# KiCad board forti rev 2.kicad_pcb (continued)
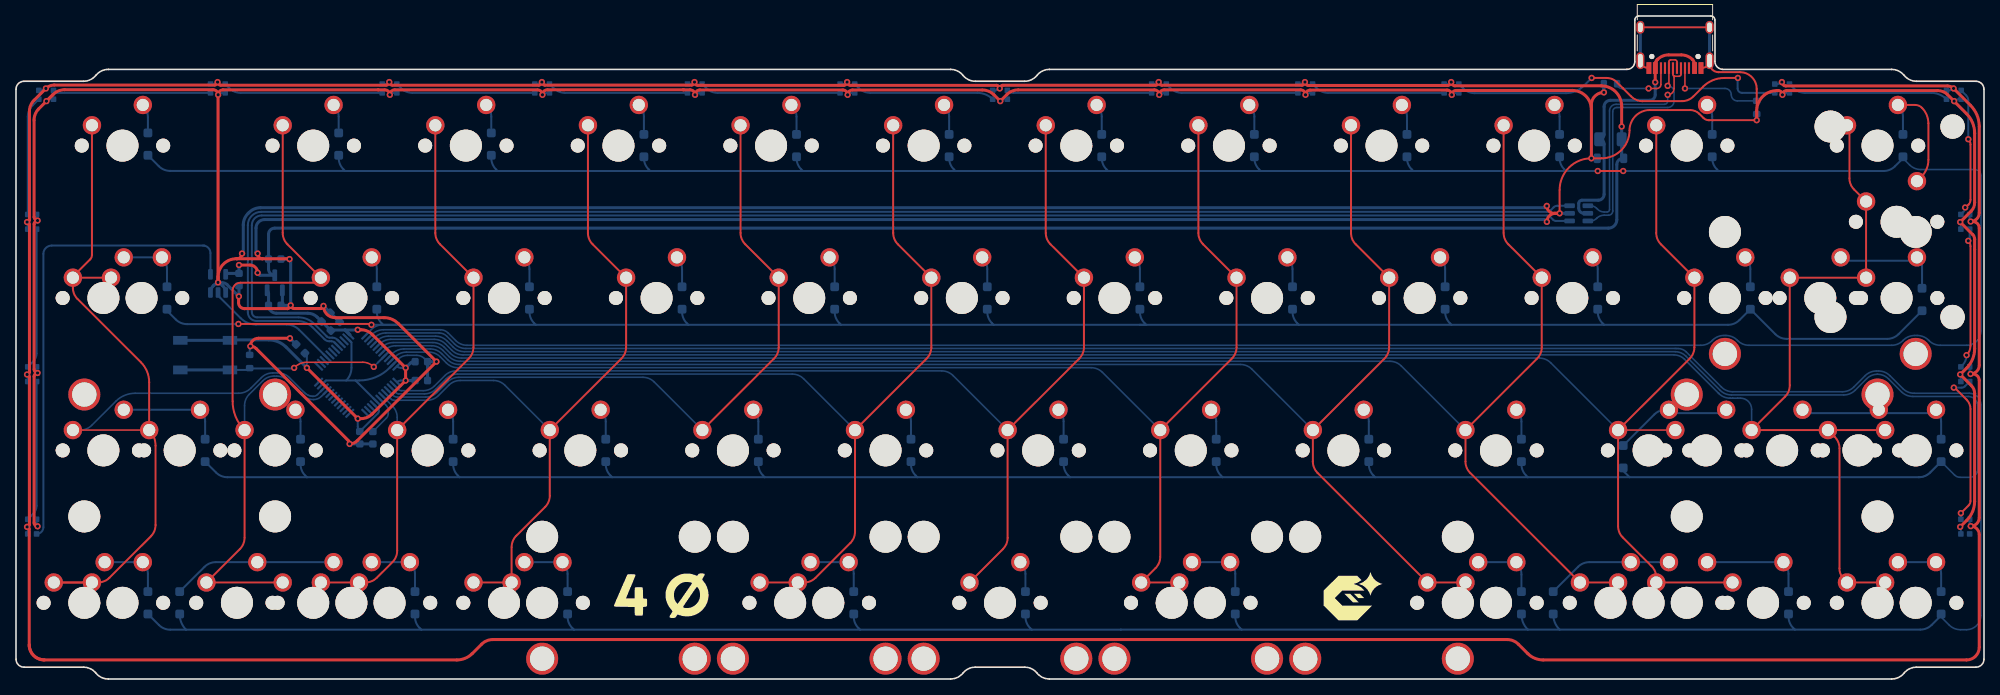
[diagram p0: board, top side]
## Routing (per net, layer and track width the routed paths; a pad name or vN(x,y) marks a point on that pad's centre or on a via; arc(x,y) is an arc through that point) (continued)
Net-(LED14-DOUT): length 20.2
  Bottom w0.25: LED14.1 221.89,73.85 arc(222.53,73.42) 223.3,73.27 239.06,73.27 arc(240.09,73.06) 240.97,72.47
Net-(LED15-DOUT): length 16.4
  Top w0.25: v1(243.3,58.94) 243.36,58.94 243.72,59.29 arc(243.9,59.57) 243.97,59.9 243.97,66.81 arc(243.89,67.16) v1(243.69,67.47)
  Bottom w0.25: LED16.3 243.06,58.36 arc(243.24,58.63) v1(243.3,58.94) ; v1(243.69,67.47) 243.69,72.29 arc(243.62,72.66) 243.41,72.96 LED15.1
Net-(LED16-DOUT): length 17.7
  Top w0.25: v1(243.48,40.48) arc(243.84,41.03) 243.97,41.67 243.97,54.11 arc(243.89,54.46) v1(243.69,54.77)
  Bottom w0.25: 243.87,56.23 243.87,55.19 arc(243.82,54.96) v1(243.69,54.77) ; 242.77,39.02 242.94,39.19 arc(243.34,39.78) v1(243.48,40.48)
Net-(LED17-DOUT): length 20
  Top w0.25: v1(242.77,20.73) 243.74,21.7 arc(243.91,21.96) 243.97,22.25 243.97,33.74 arc(243.84,34.38) 243.48,34.92 241.98,36.42 v1(241.89,36.42)
  Bottom w0.25: LED17.1 243.27,36.59 arc(243.08,36.46) 242.86,36.42 v1(241.89,36.42) ; LED18.3 v1(242.77,20.73)

## Text on the board
B.Silkscreen: design by xonuss & xezioh | pcb by calvin0563 | 1 | stepped | 1.25 | 1.5 | (1.5) | 1.75 | 2.25 | 2.75 | 7 | ISO
User.Comments: centre
